# Altium PCB 8-8控制板.PcbDoc (part 3 of 5) (continued)
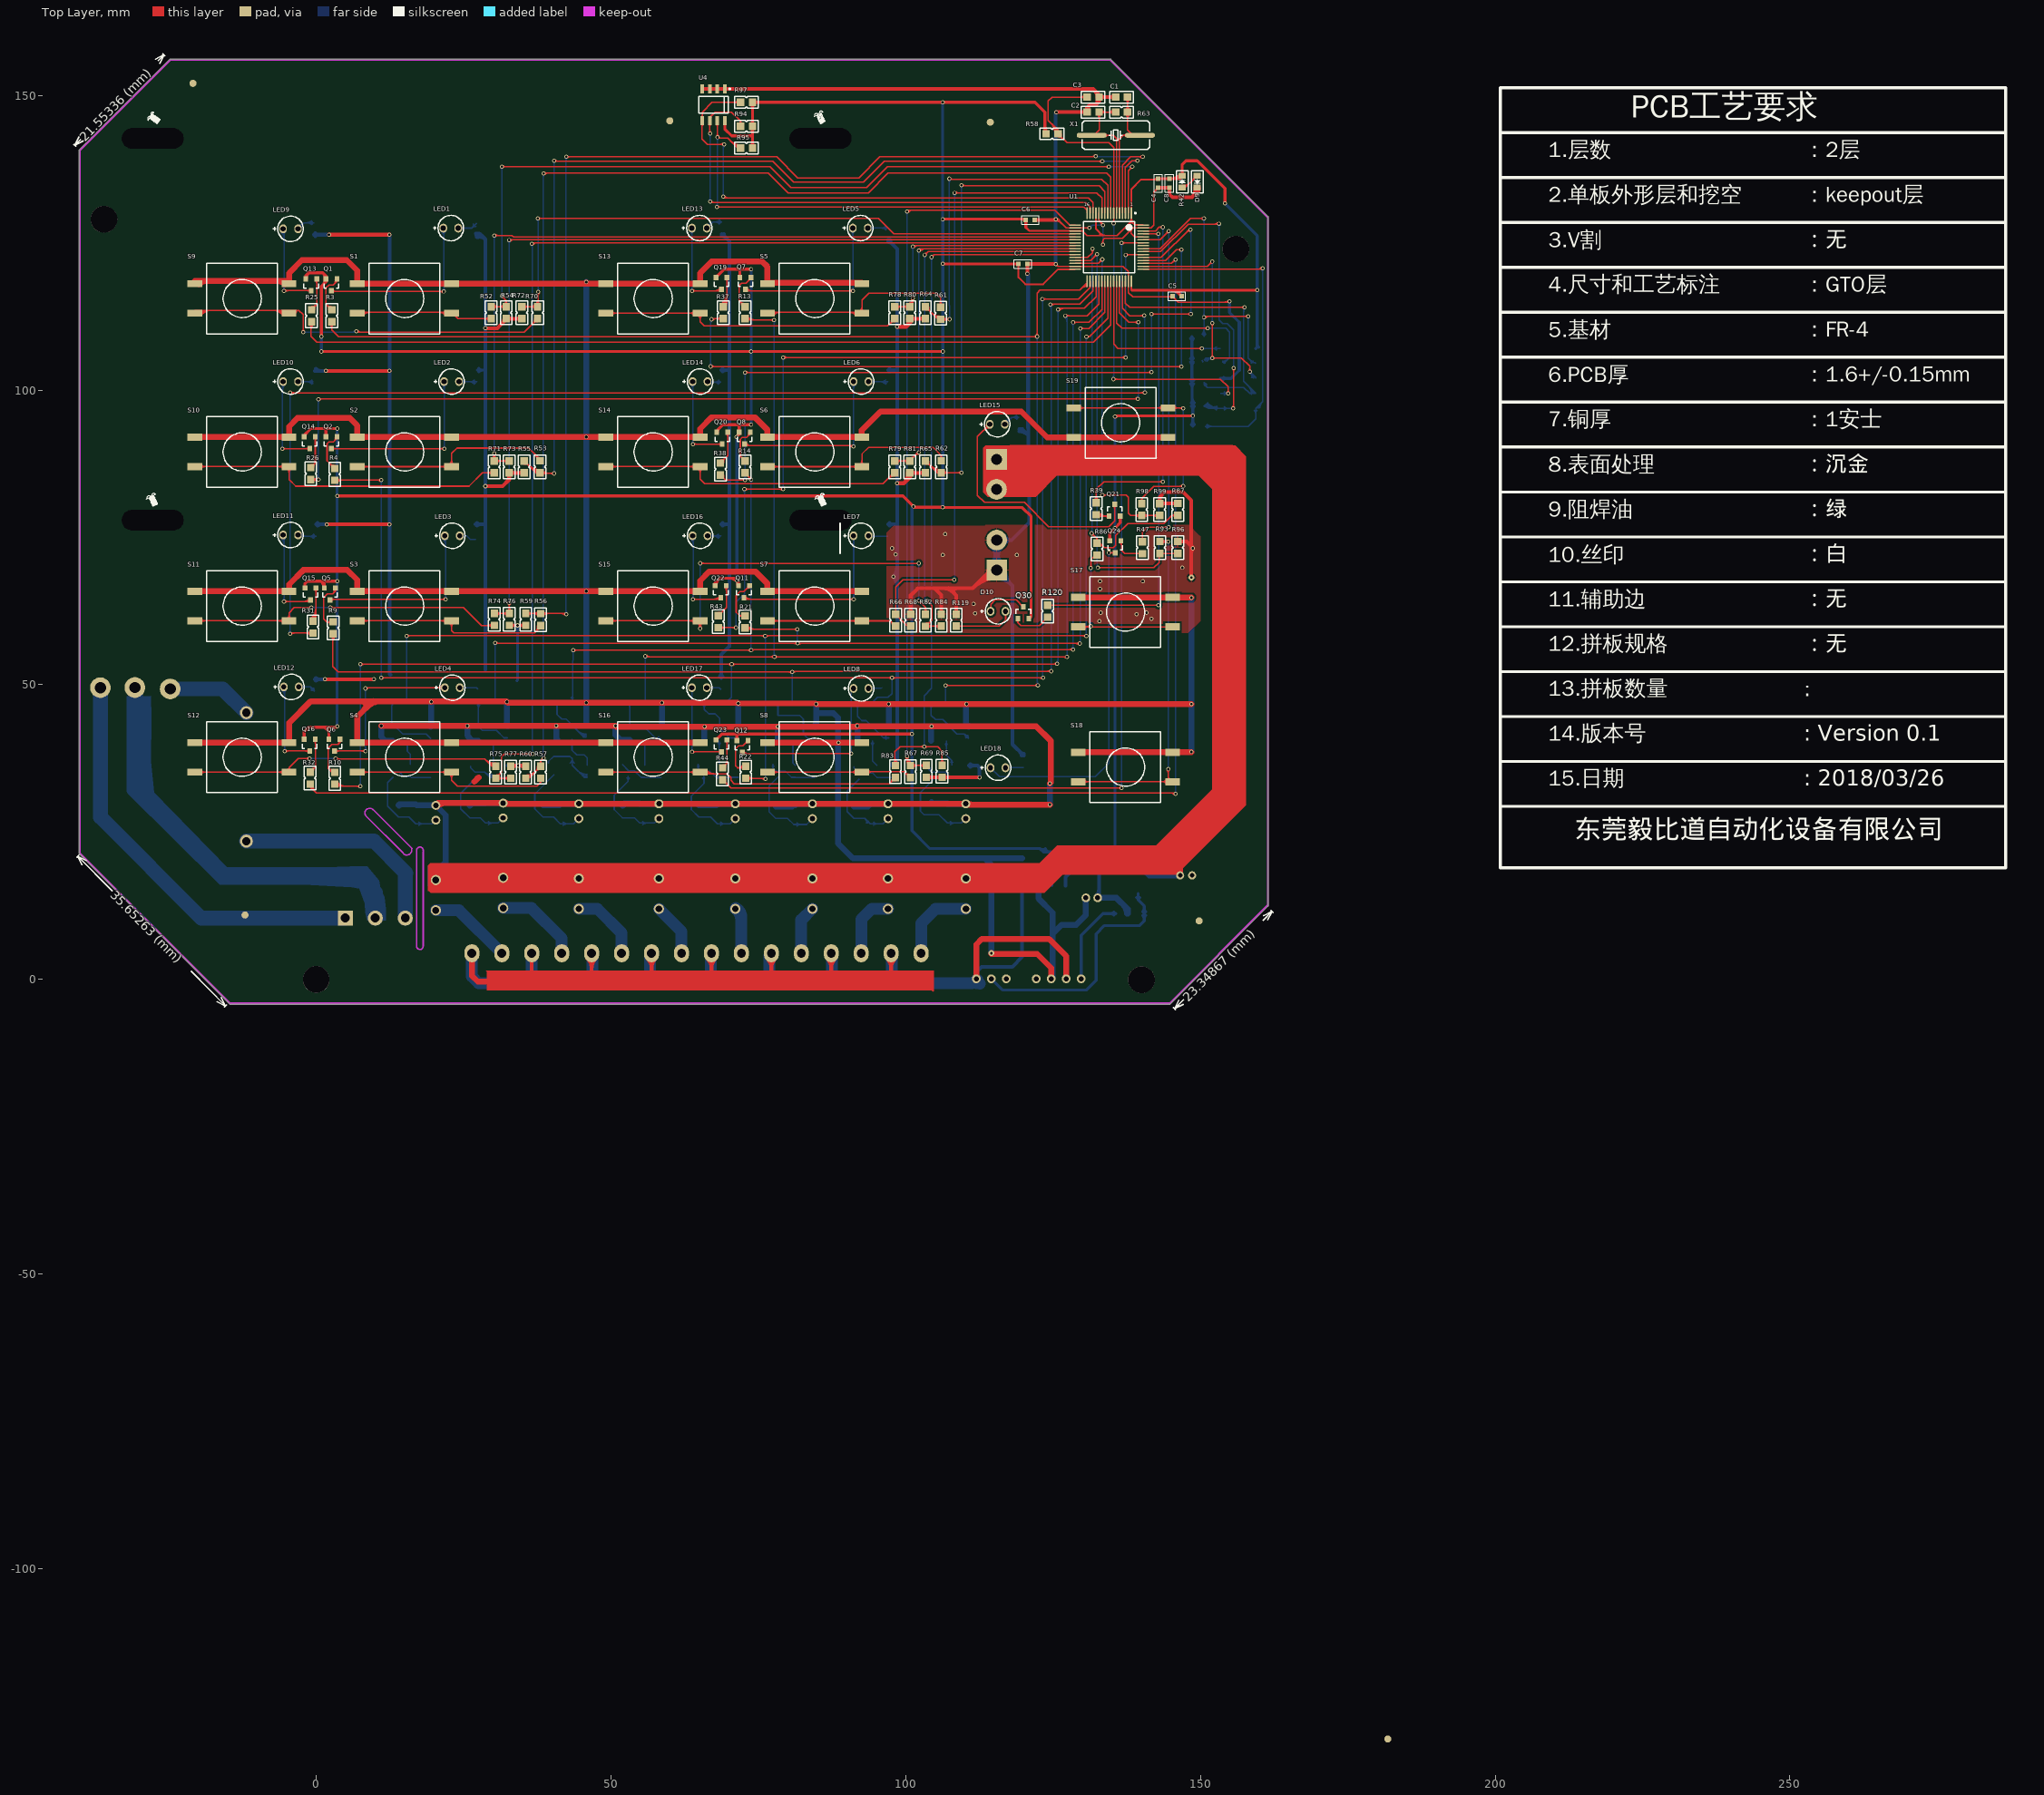
[diagram p0: Top Layer view]
## Nets (pads, with @x,y where several pads share a name; then routed paths per layer and width w, separated by ;. In a path a pad name is that pad's centre, name@x,y a point inside that pad or via, vN(x,y) a via of type N, cw(c..) or ccw(c..) an arc to the next point about the centre after c; other vN are vias at no path point) (continued)
NetP1_5: P1.5 R89.1 U1.49 | length 65.3
  Top Layer w0.203: U1.49@140.303,120.498 160.376,120.498 v1(160.528,120.65) ; 159.56,120.498 ccw(c159.56,121.618) v1@160.352,120.826 ; 160.051,120.498 ccw(c160.051,121.127) v1@160.496,120.682
  Bottom Layer w0.203: R89.1@150.749,93.853 158.115,93.853 159.385,95.123 P1.5@159.385,96.901 160.542,98.058 ; R89.1@150.982,93.62 cw(c151.546,93.056) 151.546,93.853 cw(c151.546,94.65) R89.1@150.982,94.086 ; R89.1@151.126,93.476 cw(c152.037,92.565) 152.037,93.853 cw(c152.037,95.141) R89.1@151.126,94.23 ; P1.5@159.103,96.619 cw(c158.423,95.939) 159.385,95.939 cw(c160.347,95.939) P1.5@159.667,96.619 ; P1.5@159.727,96.9 cw(c160.406,96.958) 159.924,97.44 ; P1.5@159.929,96.918 cw(c160.975,97.007) 160.233,97.749 ; P1.5@160.132,96.935 cw(c161.544,97.056) 160.542,98.058 ; v1@160.352,120.474 cw(c159.894,120.016) 160.542,120.016 ; v1(160.528,120.65) 160.542,120.636 160.542,98.058 ; 160.542,120.084 cw(c161.094,120.084) v1@160.704,120.474
NetP1_6: P1.6 R88.1 U1.55 | length 74.6
  Top Layer w0.203: U1.55@140.303,123.498 143.247,123.498 147.92,128.171 153.063,128.171 v1(153.137,128.245) ; 152.358,128.171 ccw(c152.358,129.023) v1@152.961,128.42 ; 152.716,128.171 cw(c152.716,127.824) v1@152.961,128.069 ; v1@155.399,97.077 ccw(c154.822,97.654) 155.638,97.654 ; v1@155.463,103.583 cw(c155.039,103.159) 155.638,103.159 cw(c156.238,103.159) v1@155.814,103.583 ; v1(155.575,96.901) 155.638,96.965 v1(155.638,103.759) ; 155.638,97.347 ccw(c156.021,97.347) v1@155.751,97.077
  Bottom Layer w0.203: R88.1@150.542,97.348 ccw(c151.551,98.263) 151.551,96.901 ; R88.1@150.693,97.485 ccw(c152.01,98.679) 152.01,96.901 ; R88.1@150.749,97.536 151.384,96.901 P1.6@153.385,96.901 v1(155.575,96.901) ; R88.1@150.843,97.621 ccw(c152.468,99.094) 152.468,96.901 ; R88.1@150.994,97.758 ccw(c152.926,99.509) P1.6@152.926,96.901 ; R88.1@151.144,97.894 ccw(c153.385,99.925) P1.6@153.385,96.901 ; 151.924,97.267 cw(c151.62,96.052) P1.6@152.693,96.696 ; 152.038,97.075 ccw(c152.236,98.089) P1.6@152.813,97.232 ; 152.136,97.056 cw(c151.965,96.182) P1.6@152.704,96.679 ; 152.321,97.167 ccw(c152.485,97.819) P1.6@152.83,97.243 ; 152.4,97.148 cw(c152.215,96.409) P1.6@152.868,96.801 ; 152.519,96.981 ccw(c152.623,97.513) P1.6@152.926,97.063 ; P1.6@152.753,96.619 ccw(c152.073,95.939) 152.073,96.901 ccw(c152.073,97.863) P1.6@152.753,97.183 ; v1@152.961,128.069 cw(c152.537,127.645) 153.137,127.645 cw(c153.736,127.645) v1@153.312,128.069 ; v1(153.137,128.245) 153.137,113.411 153.162,113.386 153.162,111.887 153.797,111.252 154.559,111.252 155.638,110.172 v1(155.638,103.759) ; P1.6@154.017,96.619 cw(c154.697,95.939) 154.697,96.901 cw(c154.697,97.863) P1.6@154.017,97.183 ; v1@155.399,96.725 ccw(c154.975,96.301) 154.975,96.901 ccw(c154.975,97.501) v1@155.399,97.077 ; v1@155.463,103.935 ccw(c155.039,104.359) 155.638,104.359 ccw(c156.238,104.359) v1@155.814,103.935
NetP1_9: P1.9 U1.43 | length 36.8
  Top Layer w0.203: U1.43@135.778,118.473 135.778,111.379 136.667,110.49 v1(151.257,110.49) ; v1@151.081,110.314 ccw(c150.657,109.89) 150.657,110.49 ccw(c150.657,111.09) v1@151.081,110.666
  Bottom Layer w0.203: v1(151.257,110.49) 154.305,110.49 154.94,109.855 154.94,105.537 P1.9@153.924,104.521 ; v1@151.433,110.314 cw(c151.857,109.89) 151.857,110.49 cw(c151.857,111.09) v1@151.433,110.666 ; P1.9@153.735,104.716 ccw(c153.735,105.644) 154.391,104.988 ; P1.9@153.735,104.919 ccw(c153.735,106.338) 154.738,105.335 ; P1.9@154.133,104.521 cw(c154.639,104.521) 154.281,104.878
NetP1_10: P1.10 U1.42 | length 32.5
  Top Layer w0.203: U1.42@135.278,118.473 135.278,107.823 136.04,107.061 v1(150.241,107.061) ; v1@150.065,106.885 ccw(c149.641,106.461) 149.641,107.061 ccw(c149.641,107.661) v1@150.065,107.237
  Bottom Layer w0.203: v1(150.241,107.061) P1.10@153.385,107.061 ; v1@150.417,106.885 cw(c150.841,106.461) 150.841,107.061 cw(c150.841,107.661) v1@150.417,107.237 ; P1.10@152.753,106.779 ccw(c152.073,106.099) 152.073,107.061 ccw(c152.073,108.023) P1.10@152.753,107.343
NetQ1_1: Q1.1 R3.2 | length 10.5
  Top Layer w0.203: 1.651,114.63 1.651,117.348 2.159,117.856 2.921,117.856 ; 3.209,118.144 ccw(c2.656,118.697) Q1.1@3.43,118.807 ; Q1.1@3.229,118.778 cw(c2.152,118.625) 2.921,117.856 ; Q1.1@3.531,118.872 3.531,118.466 2.921,117.856
  Top Layer w0.254: 1.651,114.63 R3.2@2.642,113.64 ; R3.2@2.134,113.64 ccw(c0.907,113.64) 1.774,114.507 ccw(c2.642,115.374) R3.2@2.642,114.148
NetQ2_1: Q2.1 R4.2 | length 10.6
  Top Layer w0.254: R4.2@2.642,86.716 ccw(c1.415,86.716) 2.282,87.583 ccw(c3.15,88.45) R4.2@3.15,87.224 ; R4.2@2.896,86.716 R4.2@3.15,86.716 1.854,88.011 1.854,90.881 2.159,91.186 2.921,91.186 ; Q2.1@3.251,92.016 cw(c2.123,91.984) 2.921,91.186 ; 3.338,91.603 ccw(c2.933,92.007) Q2.1@3.505,92.023 ; Q2.1@3.531,92.075 3.531,91.796 2.921,91.186
NetQ3_2: Q3.2 R7.2 R11.2 | length 9.2
  Bottom Layer w0.203: Q3.2@103.911,36.068 103.911,35.662 104.394,35.179 ; Q3.2@104.009,35.988 ccw(c104.558,35.825) 104.153,35.42 ; Q3.2@104.204,35.93 ccw(c104.929,35.715) 104.394,35.179 ; R11.2@110.719,34.265 107.848,34.265 R7.2@107.823,34.29 107.569,34.29 106.68,35.179 104.394,35.179
NetQ4_2: Q4.2 R8.2 R12.2 | length 7.3
  Bottom Layer w0.254: Q4.2@91.211,36.068 91.211,35.916 92.075,35.052 94.361,35.052 R8.2@95.123,34.29 95.148,34.265 R12.2@97.674,34.265
NetQ5_1: Q5.1 R9.2 | length 13.1
  Top Layer w0.203: 2.222,60.579 ccw(c2.222,60.99) R9.2@2.596,60.818 ; R9.2@2.411,60.903 cw(c1.905,61.136) 1.905,60.579 ; R9.2@2.505,60.318 ccw(c1.905,59.76) 1.905,60.579 ; R9.2@2.896,60.681 2.794,60.579 1.905,60.579 ; Q5.1@2.989,66.268 cw(c2.208,65.991) 2.794,65.405 ; 3.022,65.633 ccw(c2.544,66.111) Q5.1@3.181,66.336 ; Q5.1@3.146,66.095 cw(c3.047,65.888) 3.277,65.888 ; 3.249,65.86 ccw(c2.88,66.23) Q5.1@3.372,66.404 ; Q5.1@3.277,66.421 3.277,65.888 ; Q5.1@3.408,66.095 ccw(c3.506,65.888) 3.277,65.888 ; 1.905,60.579 1.27,61.214 1.27,64.77 1.905,65.405 2.794,65.405 ; 2.794,65.405 3.277,65.888
NetQ6_1: Q6.1 R10.2 | length 12.6
  Top Layer w0.203: 2.243,35.603 ccw(c2.738,36.098) R10.2@3.018,35.456 ; 2.454,35.392 ccw(c2.866,35.805) R10.2@3.099,35.27 ; R10.2@2.937,35.643 cw(c2.61,36.392) 2.032,35.814 ; R10.2@3.15,35.154 2.692,35.154 2.032,35.814 ; Q6.1@3.781,40.553 cw(c3.338,40.274) 3.708,39.903 ; 3.888,40.083 ccw(c3.558,40.413) Q6.1@3.953,40.662 ; Q6.1@3.942,40.427 cw(c3.886,40.258) 4.064,40.258 cw(c4.274,40.258) Q6.1@4.178,40.445 ; Q6.1@4.039,40.767 4.064,40.742 4.064,40.259 3.708,39.903 ; 4.068,40.263 ccw(c3.779,40.552) Q6.1@4.125,40.77 ; 2.032,35.814 2.032,39.243 2.692,39.903 3.708,39.903
NetQ7_1: Q7.1 R13.2 | length 12
  Top Layer w0.203: R13.2@72.212,114.148 ccw(c70.924,114.148) 71.835,115.058 ccw(c72.746,115.969) R13.2@72.746,114.681 ; R13.2@72.415,114.148 ccw(c71.618,114.148) 72.182,114.711 ccw(c72.746,115.275) R13.2@72.746,114.478 ; 73.169,118.381 ccw(c72.476,119.075) Q7.1@73.457,119.075 ; R13.2@73.254,114.148 R13.2@72.746,114.148 71.755,115.138 71.755,117.729 72.136,118.11 72.898,118.11 73.762,118.974 Q7.1@73.762,119.126 ; 73.415,118.627 cw(c73.762,118.28) Q7.1@73.762,118.77 ; Q7.1@73.516,118.728 ccw(c73.169,119.075) Q7.1@73.66,119.075
NetQ8_1: Q8.1 R14.2 | length 9.4
  Top Layer w0.254: R14.2@72.239,88.021 ccw(c71.275,88.09) 71.958,88.773 ; R14.2@72.71,88.492 cw(c72.642,89.456) 71.958,88.773 ; R14.2@72.746,87.986 71.958,88.773 ; Q8.1@73.355,92.778 cw(c72.227,92.746) 73.025,91.948 ; 73.442,92.365 ccw(c73.037,92.769) Q8.1@73.609,92.785 ; Q8.1@73.635,92.837 73.635,92.558 73.025,91.948 ; 71.958,88.773 71.958,91.618 71.945,91.63 72.263,91.948 73.025,91.948
NetQ9_2: Q9.2 R19.2 R23.2 | length 8.9
  Bottom Layer w0.254: Q9.2@77.356,36.156 cw(c77.218,35.916) 77.495,35.916 ; Q9.2@77.495,36.449 77.495,35.916 ; Q9.2@77.635,36.156 ccw(c77.772,35.916) 77.495,35.916 ; R23.2@84.629,34.265 81.305,34.265 R19.2@81.28,34.29 80.645,34.29 79.629,35.306 78.105,35.306 77.495,35.916
NetQ10_2: Q10.2 R20.2 R24.2 | length 9.3
  Bottom Layer w0.254: Q10.2@64.656,36.156 cw(c64.518,35.916) 64.795,35.916 ; Q10.2@64.795,36.449 64.795,35.916 ; Q10.2@64.935,36.156 ccw(c65.072,35.916) 64.795,35.916 ; R20.2@68.111,34.095 ccw(c67.818,33.973) 67.818,34.29 ; R20.2@68.111,34.485 cw(c67.818,34.607) 67.818,34.29 ; R24.2@71.584,34.265 71.559,34.29 R20.2@68.58,34.29 67.818,34.29 ; 64.795,35.916 65.405,35.306 66.802,35.306 67.818,34.29
NetQ11_1: Q11.1 R21.2 | length 9.7
  Top Layer w0.254: R21.2@72.308,61.439 ccw(c71.857,61.173) 71.857,61.697 ; R21.2@72.308,61.954 cw(c71.857,62.22) 71.857,61.697 ; R21.2@72.746,61.697 71.857,61.697 ; 72.987,66.256 cw(c73.508,65.736) Q11.1@73.508,66.472 ; 73.049,66.318 ccw(c72.615,66.751) Q11.1@73.228,66.751 ; Q11.1@73.508,66.802 73.508,66.777 72.517,65.786 71.882,65.786 71.247,65.151 71.247,62.306 71.857,61.697
NetQ12_1: Q12.1 R22.2 | length 10.6
  Top Layer w0.254: 71.941,35.916 ccw(c71.941,36.769) R22.2@72.659,36.307 ; R22.2@72.259,35.916 cw(c72.259,35.556) R22.2@72.513,35.81 ; R22.2@72.445,36.445 cw(c71.476,37.069) 71.476,35.916 ; 72.69,39.949 cw(c73.254,39.386) Q12.1@73.254,40.183 ; R22.2@72.746,35.916 71.476,35.916 ; 72.813,40.072 ccw(c72.422,40.462) Q12.1@72.974,40.462 ; Q12.1@73.254,40.513 72.39,39.649 71.653,39.649 71.158,39.154 71.158,36.233 71.476,35.916
NetQ13_1: Q13.1 R25.2 | length 9.9
  Top Layer w0.203: R25.2@-0.787,113.64 0.102,114.529 ; R25.2@-0.782,113.97 ccw(c-0.769,114.722) -0.237,114.19 ccw(c0.295,113.658) R25.2@-0.457,113.645 ; R25.2@-0.778,114.173 ccw(c-0.757,115.388) 0.102,114.529 ; R25.2@-0.254,113.649 cw(c0.961,113.67) 0.102,114.529 ; Q13.1@-0.114,118.606 cw(c-0.634,118.085) 0.102,118.085 cw(c0.837,118.085) Q13.1@0.317,118.606 ; Q13.1@0.102,118.872 0.102,114.529
NetQ14_1: Q14.1 R26.2 | length 8.2
  Top Layer w0.254: R26.2@-0.914,86.843 -0.152,87.605 ; R26.2@-0.866,87.348 ccw(c-0.781,88.233) -0.152,87.605 ; R26.2@-0.409,86.891 cw(c0.476,86.976) -0.152,87.605 ; Q14.1@-0.35,91.827 cw(c-0.827,91.35) -0.152,91.35 cw(c0.522,91.35) Q14.1@0.045,91.827 ; Q14.1@-0.152,92.075 -0.152,87.605
NetQ15_1: Q15.1 R31.2 | length 15
  Top Layer w0.203: R31.2@-0.911,61.185 ccw(c-3.048,63.322) -0.025,63.322 ; R31.2@-0.767,61.041 ccw(c-2.557,62.831) -0.025,62.831 ; R31.2@-0.623,60.897 ccw(c-2.066,62.341) -0.025,62.341 ; R31.2@-0.533,60.808 -0.025,61.316 Q15.1@-0.025,66.421 ; R31.2@-0.48,60.754 ccw(c-1.576,61.85) -0.025,61.85 ; R31.2@-0.336,60.61 ccw(c-1.085,61.359) R31.2@-0.025,61.359 ; Q15.1@-0.241,66.155 cw(c-0.761,65.634) -0.025,65.634 cw(c0.71,65.634) Q15.1@0.19,66.155
NetQ16_1: Q16.1 R32.2 | length 10.1
  Top Layer w0.203: R32.2@-1.016,35.179 -0.152,36.043 ; R32.2@-1.003,35.509 ccw(c-0.977,36.209) -0.481,35.714 ccw(c0.014,35.218) R32.2@-0.686,35.192 ; R32.2@-0.996,35.712 ccw(c-0.952,36.843) -0.152,36.043 ; R32.2@-0.483,35.199 cw(c0.648,35.243) -0.152,36.043 ; Q16.1@-0.368,40.501 cw(c-0.888,39.98) -0.152,39.98 cw(c0.583,39.98) Q16.1@0.063,40.501 ; Q16.1@-0.152,40.767 -0.152,36.043
NetQ17_2: Q17.2 R33.2 R35.2 | length 7.5
  Bottom Layer w0.254: Q17.2@51.968,36.449 52.984,35.433 53.975,35.433 55.118,34.29 R33.2@55.753,34.29 55.778,34.265 R35.2@58.54,34.265
NetQ18_2: Q18.2 R34.2 R36.2 | length 15.4
  Bottom Layer w0.254: Q18.2@39.395,36.703 39.395,36.982 40.259,37.846 43.053,37.846 43.434,37.465 ; R36.2@43.094,36.699 ccw(c42.402,37.465) 43.434,37.465 ; R36.2@43.774,36.699 cw(c44.466,37.465) 43.434,37.465 ; 44.24,35.516 ccw(c45.974,37.251) R34.2@45.974,34.798 ; 44.673,35.083 ccw(c45.974,36.384) R34.2@45.974,34.544 ; 45.107,34.649 ccw(c45.974,35.516) R34.2@45.974,34.29 45.466,34.29 R36.2@43.434,36.322 43.434,37.465
NetQ19_1: Q19.1 R37.2 | length 16.1
  Top Layer w0.203: R37.2@68.685,114.525 ccw(c66.242,116.968) 69.698,116.968 ; R37.2@68.829,114.381 ccw(c66.732,116.478) 69.698,116.478 ; R37.2@68.973,114.237 ccw(c67.223,115.987) 69.698,115.987 ; R37.2@69.063,114.148 69.698,114.783 Q19.1@69.698,119.126 ; R37.2@69.116,114.094 ccw(c67.714,115.497) 69.698,115.497 ; R37.2@69.26,113.95 ccw(c68.204,115.006) 69.698,115.006 ; Q19.1@69.482,118.86 cw(c68.962,118.339) 69.698,118.339 cw(c70.433,118.339) Q19.1@69.913,118.86
NetQ20_1: Q20.1 R38.2 | length 10.2
  Top Layer w0.203: R38.2@68.58,87.63 69.825,88.875 Q20.1@69.825,92.837 ; R38.2@68.58,87.96 ccw(c68.58,88.757) 69.144,88.194 ccw(c69.707,87.63) R38.2@68.91,87.63 ; R38.2@68.58,88.163 ccw(c68.58,89.451) 69.491,88.541 ccw(c70.401,87.63) R38.2@69.113,87.63 ; Q20.1@69.609,92.571 cw(c69.089,92.05) 69.825,92.05 cw(c70.56,92.05) Q20.1@70.04,92.571
NetQ21_1: Q21.1 R39.2 | length 8.3
  Top Layer w0.203: R39.2@131.801,78.588 R39.2@132.207,78.994 ; R39.2@132.334,78.867 132.588,78.613 Q21.1@134.518,78.613 ; R39.2@132.424,78.957 ccw(c133.254,79.787) 133.254,78.613 ; R39.2@132.567,79.1 ccw(c133.744,80.277) 133.744,78.613 ; R39.2@132.711,78.49 cw(c133.009,78.192) 133.009,78.613 ; R39.2@132.711,79.244 ccw(c134.235,80.768) Q21.1@134.235,78.613 ; Q21.1@134.303,78.397 ccw(c133.783,77.877) 133.783,78.613 ccw(c133.783,79.349) Q21.1@134.303,78.829
NetQ22_1: Q22.1 R43.2 | length 10.1
  Top Layer w0.203: R43.2@68.199,61.722 69.571,63.094 Q22.1@69.571,66.802 ; R43.2@68.199,62.052 ccw(c68.199,62.849) 68.763,62.286 ccw(c69.326,61.722) R43.2@68.529,61.722 ; R43.2@68.199,62.255 ccw(c68.199,63.543) 69.11,62.633 ccw(c70.02,61.722) R43.2@68.732,61.722 ; Q22.1@69.355,66.536 cw(c68.835,66.015) 69.571,66.015 cw(c70.306,66.015) Q22.1@69.786,66.536
NetQ23_1: Q23.1 R44.2 | length 7.7
  Top Layer w0.254: R44.2@68.936,35.916 69.698,36.678 ; R44.2@68.984,36.421 ccw(c69.069,37.306) 69.698,36.678 ; R44.2@69.441,35.964 cw(c70.326,36.049) 69.698,36.678 ; Q23.1@69.5,40.392 cw(c69.023,39.915) 69.698,39.915 cw(c70.372,39.915) Q23.1@69.895,40.392 ; Q23.1@69.698,40.64 69.698,36.678
NetQ24_1: Q24.1 R47.2 | length 7.2
  Top Layer w0.203: Q24.1@136.284,74.156 cw(c135.396,73.267) 136.652,73.267 ; Q24.1@136.428,74.299 cw(c135.886,73.758) 136.652,73.758 ; Q24.1@136.5,74.422 136.652,74.27 136.652,72.771 137.185,72.238 R47.2@139.929,72.238 ; R47.2@139.82,72.129 R47.2@139.929,72.238 ; R47.2@140.183,72.238 R47.2@139.929,72.238
NetQ25_2: Q25.2 R48.2 R50.2 | length 10.5
  Bottom Layer w0.254: Q25.2@26.187,36.195 26.187,35.916 26.924,35.179 28.575,35.179 ; 28.91,34.844 ccw(c29.7,35.635) R48.2@29.922,34.539 ; 29.245,34.509 ccw(c29.813,35.078) R48.2@29.972,34.29 ; R48.2@29.871,34.788 cw(c29.588,36.192) 28.575,35.179 ; R50.2@32.45,34.265 29.997,34.265 R48.2@29.972,34.29 ; 28.575,35.179 29.464,34.29 R48.2@29.972,34.29
NetQ26_2: Q26.2 R49.2 R51.2 | length 8.3
  Bottom Layer w0.254: Q26.2@12.09,36.322 12.09,36.043 12.954,35.179 14.097,35.179 14.859,34.417 R49.2@16.002,34.417 16.154,34.265 R51.2@19.406,34.265
NetQ30_1: Q30.1 R120.2 | length 7.6
  Top Layer w0.203: Q30.1@118.842,60.919 cw(c118.567,60.554) 119.024,60.554 ; Q30.1@119.024,61.214 119.024,60.554 ; Q30.1@119.207,60.919 ccw(c119.482,60.554) 119.024,60.554 ; R120.2@123.825,61.468 R120.2@124.079,61.468 122.682,60.071 119.507,60.071 119.024,60.554
NetR25_1: R25.1 U1.41 | length 150.2
  Top Layer w0.203: R25.1@-1.165,111.23 cw(c-1.83,110.565) -0.889,110.565 cw(c0.255,110.565) R25.1@-0.554,111.374 ; -0.889,110.075 cw(c0.746,110.075) R25.1@-0.41,111.23 ; R25.1@-0.787,111.608 -0.889,111.506 -0.889,109.093 0.078,108.126 131.875,108.126 134.778,111.029 U1.41@134.778,118.473
NetR26_1: R26.1 U1.44 | length 189.2
  Top Layer w0.203: R26.1@-0.914,84.811 v1(0.381,84.811) ; R26.1@-0.681,84.577 cw(c-0.117,84.013) -0.117,84.811 cw(c-0.117,85.608) R26.1@-0.681,85.044 ; R26.1@-0.537,84.433 cw(c0.373,83.523) 0.373,84.811 cw(c0.373,86.098) R26.1@-0.537,85.188 ; -0.203,84.656 cw(c-0.046,84.07) v1@0.257,84.595 ; -0.203,84.965 ccw(c-0.046,85.551) v1@0.257,85.026 ; -0.194,84.659 ccw(c-0.348,85.231) v1@0.166,84.935 ; -0.194,84.963 cw(c-0.348,84.39) v1@0.166,84.686 ; v1@0.205,84.635 ccw(c-0.219,84.211) -0.219,84.811 ccw(c-0.219,85.41) v1@0.205,84.986 ; v1(0.381,98.425) 0.483,98.527 v1(139.421,98.527) ; v1@0.413,98.393 cw(c0.735,98.071) 0.735,98.527 cw(c0.735,98.779) v1@0.557,98.601 ; v1@0.557,98.249 cw(c1.226,97.58) 1.226,98.527 ; U1.44@136.278,118.473 136.278,113.1 137.871,111.506 v1(139.446,111.506) ; v1@139.245,98.351 ccw(c138.821,97.927) 138.821,98.527 ccw(c138.821,99.126) v1@139.245,98.702 ; v1@139.27,111.33 ccw(c138.846,110.906) 138.846,111.506 ccw(c138.846,112.106) v1@139.27,111.682
  Bottom Layer w0.203: v1@0.205,84.986 ccw(c-0.219,85.41) 0.381,85.41 ccw(c0.981,85.41) v1@0.557,84.986 ; v1@0.205,98.249 cw(c-0.219,97.825) 0.381,97.825 cw(c0.981,97.825) v1@0.557,98.249 ; v1(0.381,84.811) v1(0.381,98.425) ; v1@139.245,98.702 ccw(c138.76,99.188) 139.446,99.188 ; v1@139.27,111.33 cw(c138.846,110.906) 139.446,110.906 cw(c140.046,110.906) v1@139.622,111.33 ; v1(139.421,98.527) 139.446,98.552 v1(139.446,111.506) ; 139.446,99.065 ccw(c139.959,99.065) v1@139.596,98.702
NetR31_1: R31.1 U1.45 | length 223.4
  Top Layer w0.203: v1(-4.445,58.674) -4.343,58.776 R31.1@-0.533,58.776 ; v1(-4.445,99.568) -4.42,99.543 140.564,99.543 v1(140.589,99.568) ; v1@-4.413,58.642 cw(c-4.091,58.32) -4.091,58.776 cw(c-4.091,59.028) v1@-4.269,58.85 ; v1@-4.269,58.498 cw(c-3.6,57.829) -3.6,58.776 ; v1@-4.269,99.392 cw(c-3.907,99.03) -3.907,99.543 ; v1@-4.269,99.744 ccw(c-3.784,100.229) -3.784,99.543 ; R31.1@-0.911,58.398 ccw(c-1.821,57.488) -1.821,58.776 ccw(c-1.821,60.063) R31.1@-0.911,59.153 ; R31.1@-0.767,58.542 ccw(c-1.331,57.978) -1.331,58.776 ccw(c-1.331,59.573) R31.1@-0.767,59.009 ; U1.45@136.778,118.473 136.778,113.87 138.024,112.624 140.437,112.624 v1(140.462,112.649) ; 139.801,112.624 ccw(c139.801,113.31) v1@140.286,112.825 ; 139.924,112.624 cw(c139.924,112.111) v1@140.286,112.473 ; 139.928,99.543 ccw(c139.928,100.229) v1@140.413,99.744 ; 140.051,99.543 cw(c140.051,99.03) v1@140.413,99.392
  Bottom Layer w0.203: v1@-4.621,58.85 ccw(c-5.045,59.274) -4.445,59.274 ccw(c-3.845,59.274) v1@-4.269,58.85 ; v1@-4.621,99.392 cw(c-5.045,98.968) -4.445,98.968 cw(c-3.845,98.968) v1@-4.269,99.392 ; v1(-4.445,58.674) v1(-4.445,99.568) ; v1@140.286,112.473 cw(c139.617,111.804) 140.564,111.804 ; v1@140.413,99.744 ccw(c140.051,100.106) 140.564,100.106 ; v1@140.43,112.617 cw(c140.108,112.295) 140.564,112.295 cw(c140.816,112.295) v1@140.638,112.473 ; v1(140.462,112.649) 140.564,112.547 140.564,99.593 v1(140.589,99.568) ; 140.564,100.229 ccw(c141.25,100.229) v1@140.765,99.744
NetR32_1: R32.1 U1.51 | length 251.9
  Top Layer w0.203: R32.1@-1.091,33.157 ccw(c-0.308,33.049) -0.867,32.49 ; R32.1@-1.016,33.147 -1.016,32.639 0,31.623 ; R32.1@-0.89,33.13 ccw(c0.2,32.979) -0.578,32.201 ; R32.1@-0.689,33.102 ccw(c0.708,32.909) -0.289,31.912 ; R32.1@-0.488,33.074 ccw(c1.216,32.839) 0,31.623 ; U1.51@140.303,121.498 145.12,121.498 v1(145.771,122.149) ; 144.89,31.623 cw(c144.89,30.59) v1@145.62,31.32 ; 145.38,31.623 cw(c145.38,31.08) v1@145.764,31.464 ; v1@145.522,122.149 cw(c144.923,122.149) 145.347,121.725 cw(c145.771,121.301) v1@145.771,121.9 ; v1(145.796,31.496) 145.669,31.623 0,31.623
  Bottom Layer w0.203: v1@145.595,121.973 cw(c145.171,121.549) 145.771,121.549 cw(c146.37,121.549) v1@145.946,121.973 ; v1(145.771,122.149) 145.771,31.521 v1(145.796,31.496)
NetR37_1: R37.1 U1.52 | length 129.4
  Top Layer w0.203: v1(66.929,104.013) 66.954,103.988 v1(146.787,103.988) ; v1(67.056,112.014) 67.158,112.116 R37.1@69.063,112.116 ; v1@67.088,111.982 cw(c67.41,111.66) 67.41,112.116 cw(c67.41,112.368) v1@67.232,112.19 ; v1@67.105,103.837 cw(c67.467,103.475) 67.467,103.988 ; v1@67.105,104.189 ccw(c67.59,104.674) 67.59,103.988 ; v1@67.232,111.838 cw(c67.901,111.169) 67.901,112.116 ; R37.1@68.685,111.738 ccw(c67.775,110.828) 67.775,112.116 ccw(c67.775,113.403) R37.1@68.685,112.493 ; R37.1@68.829,111.882 ccw(c68.265,111.318) 68.265,112.116 ccw(c68.265,112.913) R37.1@68.829,112.349 ; U1.52@140.303,121.998 144.096,121.998 145.898,123.8 v1(146.787,123.8) 147.041,123.8 147.104,123.736 v1@146.787,123.736 ; v1@146.611,103.812 ccw(c146.187,103.388) 146.187,103.988 ccw(c146.187,104.587) v1@146.611,104.163 ; v1@146.611,123.624 ccw(c146.187,123.2) 146.187,123.8 ccw(c146.187,124.399) v1@146.611,123.975
  Bottom Layer w0.203: v1@66.753,104.189 ccw(c66.329,104.613) 66.929,104.613 ccw(c67.529,104.613) v1@67.105,104.189 ; v1(66.929,104.013) 66.929,112.014 67.056,112.141 v1(67.056,112.014) ; 66.929,111.108 cw(c67.962,111.108) v1@67.232,111.838 ; 66.929,111.598 cw(c67.472,111.598) v1@67.088,111.982 ; v1@146.611,104.163 ccw(c146.187,104.587) 146.787,104.587 ccw(c147.386,104.587) v1@146.962,104.163 ; v1@146.611,123.624 cw(c146.187,123.2) 146.787,123.2 cw(c147.386,123.2) v1@146.962,123.624 ; v1(146.787,103.988) v1(146.787,123.8)
NetR38_1: R38.1 U1.53 | length 147.3
  Top Layer w0.203: R38.1@68.58,85.598 69.413,84.765 ; R38.1@68.602,85.269 cw(c68.643,84.631) 69.095,85.083 cw(c69.547,85.535) R38.1@68.909,85.576 ; R38.1@68.615,85.066 cw(c68.682,84.035) 69.413,84.765 ; R38.1@69.112,85.563 ccw(c70.143,85.496) 69.413,84.765 ; v1@72.595,84.59 ccw(c72.171,84.166) 72.171,84.765 ccw(c72.171,85.365) v1@72.595,84.941 ; v1(72.771,84.765) 69.413,84.765 ; v1(72.771,102.997) 72.796,102.972 141.656,102.972 v1(141.707,103.022) ; v1@72.947,102.821 cw(c73.309,102.459) 73.309,102.972 ; v1@72.947,103.173 ccw(c73.432,103.658) 73.432,102.972 ; U1.53@140.303,122.498 143.326,122.498 148.057,127.229 v1(148.311,127.229) ; 140.984,102.972 ccw(c140.984,103.745) v1@141.531,103.198 ; 141.23,102.972 cw(c141.23,102.545) v1@141.531,102.847 ; v1(141.707,112.878) 148.338,112.878 v1(148.364,112.903) ; v1@141.882,112.702 cw(c142.306,112.278) 142.306,112.878 cw(c142.306,113.477) v1@141.882,113.053 ; 147.453,126.625 cw(c148.311,125.767) v1@148.311,126.98 ; 147.703,112.878 ccw(c147.703,113.564) v1@148.188,113.079 ; 147.8,126.972 cw(c148.311,126.461) v1@148.311,127.183 ; 147.825,112.878 cw(c147.825,112.365) v1@148.188,112.727
  Bottom Layer w0.203: v1@72.595,84.941 ccw(c72.171,85.365) 72.771,85.365 ccw(c73.371,85.365) v1@72.947,84.941 ; v1@72.595,102.821 cw(c72.171,102.397) 72.771,102.397 cw(c73.371,102.397) v1@72.947,102.821 ; v1(72.771,84.765) v1(72.771,102.997) ; v1@141.531,103.198 ccw(c141.107,103.622) 141.707,103.622 ccw(c142.306,103.622) v1@141.882,103.198 ; v1@141.531,112.702 cw(c141.107,112.278) 141.707,112.278 cw(c142.306,112.278) v1@141.882,112.702 ; v1(141.707,103.022) v1(141.707,112.878) ; v1@148.135,127.053 cw(c147.583,126.501) 148.364,126.501 ; v1@148.188,113.079 ccw(c147.764,113.503) 148.364,113.503 ccw(c148.963,113.503) v1@148.539,113.079 ; v1(148.311,127.229) 148.364,127.176 v1(148.364,112.903) ; 148.364,126.757 cw(c148.782,126.757) v1@148.486,127.053
NetR39_1: R39.1 U1.62 | length 68.1
  Top Layer w0.203: R39.1@131.957,81.276 ccw(c131.046,82.187) 132.334,82.187 ccw(c133.622,82.187) R39.1@132.711,81.276 ; R39.1@132.101,81.132 ccw(c131.537,81.696) 132.334,81.696 ccw(c133.131,81.696) R39.1@132.567,81.132 ; R39.1@132.334,80.899 132.334,83.185 133.604,84.455 v1@143.764,84.455 ; U1.62@140.303,126.998 142.365,126.998 143.002,127.635 v1(143.637,127.635) ; v1@143.461,84.279 ccw(c143.037,83.855) 143.037,84.455 ccw(c143.037,85.055) v1@143.461,84.631 ; v1@143.461,127.459 ccw(c143.037,127.035) 143.037,127.635 ccw(c143.037,128.235) v1@143.461,127.811
  Bottom Layer w0.203: v1@143.461,84.631 ccw(c143.099,84.993) 143.612,84.993 ; v1@143.461,127.459 cw(c143.099,127.097) 143.612,127.097 ; 143.612,85.116 ccw(c144.298,85.116) v1@143.813,84.631 ; 143.612,126.974 cw(c144.298,126.974) v1@143.813,127.459 ; v1(143.637,127.635) 143.612,127.61 143.612,84.607 v1@143.764,84.455
  other v1: 143.637,84.455
NetR43_1: R43.1 U1.54 | length 149.1
  Top Layer w0.203: R43.1@68.199,59.69 v1(71.247,59.69) ; R43.1@68.432,59.457 cw(c68.996,58.893) 68.996,59.69 cw(c68.996,60.487) R43.1@68.432,59.923 ; R43.1@68.576,59.313 cw(c69.487,58.402) 69.487,59.69 cw(c69.487,60.978) R43.1@68.576,60.067 ; v1@71.071,59.514 ccw(c70.647,59.09) 70.647,59.69 ccw(c70.647,60.29) v1@71.071,59.866 ; v1(72.644,83.185) v1(79.248,83.185) ; v1@72.82,83.009 cw(c73.244,82.585) 73.244,83.185 cw(c73.244,83.785) v1@72.82,83.361 ; v1@79.072,83.009 ccw(c78.648,82.585) 78.648,83.185 ccw(c78.648,83.785) v1@79.072,83.361 ; v1(79.248,105.537) v1(137.287,105.537) ; v1@79.424,105.361 cw(c79.848,104.937) 79.848,105.537 cw(c79.848,106.137) v1@79.424,105.713 ; v1@137.111,105.361 ccw(c136.687,104.937) 136.687,105.537 ccw(c136.687,106.137) v1@137.111,105.713 ; v1(137.287,122.936) 137.349,122.998 U1.54@140.303,122.998 ; v1@137.463,122.76 cw(c138.035,122.188) 138.035,122.998 ; v1@137.463,123.112 ccw(c137.738,123.387) 137.738,122.998
  Bottom Layer w0.203: v1@71.071,59.866 ccw(c70.647,60.29) 71.247,60.29 ccw(c71.847,60.29) v1@71.423,59.866 ; v1(71.247,59.69) 71.247,64.008 72.644,65.405 v1(72.644,83.185) ; v1@72.468,83.009 cw(c72.044,82.585) 72.644,82.585 cw(c73.244,82.585) v1@72.82,83.009 ; v1@79.072,83.361 ccw(c78.648,83.785) 79.248,83.785 ccw(c79.848,83.785) v1@79.424,83.361 ; v1@79.072,105.361 cw(c78.648,104.937) 79.248,104.937 cw(c79.848,104.937) v1@79.424,105.361 ; v1(79.248,83.185) v1(79.248,105.537) ; v1@137.111,105.713 ccw(c136.687,106.137) 137.287,106.137 ccw(c137.887,106.137) v1@137.463,105.713 ; v1@137.111,122.76 cw(c136.687,122.336) 137.287,122.336 cw(c137.887,122.336) v1@137.463,122.76 ; v1(137.287,105.537) v1(137.287,122.936)
NetR44_1: R44.1 U1.58 | length 170.6
  Top Layer w0.203: R44.1@68.936,33.35 cw(c68.936,32.062) 69.846,32.973 cw(c70.757,33.884) R44.1@69.469,33.884 ; R44.1@68.936,33.553 cw(c68.936,32.756) 69.499,33.32 cw(c70.063,33.884) R44.1@69.266,33.884 ; R44.1@68.936,33.884 70.358,32.461 136.601,32.461 v1(136.652,32.512) ; 135.93,32.461 ccw(c135.93,33.234) v1@136.476,32.688 ; 136.175,32.461 cw(c136.175,32.035) v1@136.476,32.336 ; v1(136.652,124.968) 136.682,124.998 U1.58@140.303,124.998 ; v1@136.828,124.792 cw(c137.323,124.297) 137.323,124.998 ; v1@136.828,125.144 ccw(c137.18,125.496) 137.18,124.998
  Bottom Layer w0.203: v1@136.476,124.792 cw(c136.114,124.43) 136.627,124.43 ; 136.627,124.307 cw(c137.313,124.307) v1@136.828,124.792 ; v1(136.652,32.512) 136.627,32.537 136.627,124.943 v1(136.652,124.968)
NetR47_1: R47.1 U1.59 | length 64.5
  Top Layer w0.203: R47.1@140.183,74.27 140.183,75.921 140.97,76.708 v1(144.653,76.708) ; U1.59@140.303,125.498 143.151,125.498 v1(144.628,126.975) ; v1@144.379,126.975 cw(c143.78,126.975) 144.204,126.551 cw(c144.628,126.127) v1@144.628,126.726
  Bottom Layer w0.203: v1@144.452,126.799 cw(c144.028,126.375) 144.628,126.375 cw(c145.227,126.375) v1@144.803,126.799 ; v1@144.477,76.884 ccw(c144.115,77.246) 144.628,77.246 ; 144.628,77.369 ccw(c145.314,77.369) v1@144.829,76.884 ; v1(144.628,126.975) 144.628,76.733 v1(144.653,76.708)
NetR52_1: R52.1 S1.2 S1.3 | length 33.9
  Top Layer w0.203: S1.2@6.961,113.172 22.961,113.172 24.017,112.116 ; S1.2@7.819,112.836 cw(c8.63,112.025) 8.63,113.172 ; S1.2@7.963,112.692 cw(c9.12,111.535) 9.12,113.172 ; S1.2@7.963,113.397 ccw(c8.507,113.941) 8.507,113.172 ; 20.801,113.172 cw(c20.801,111.535) S1.3@21.958,112.692 ; 21.291,113.172 cw(c21.291,112.025) S1.3@22.102,112.836 ; 21.414,113.172 ccw(c21.414,113.941) S1.3@21.958,113.397 ; S1.3@23.681,112.985 ccw(c23.995,112.719) 23.704,112.428 ; S1.3@23.836,112.854 ccw(c24.165,112.576) 23.86,112.272 ; S1.3@23.991,112.723 ccw(c24.334,112.433) 24.017,112.116 ; R52.1@29.315,111.738 ccw(c28.405,110.828) 28.405,112.116 ccw(c28.405,113.403) R52.1@29.315,112.493 ; R52.1@29.459,111.882 ccw(c28.895,111.318) 28.895,112.116 ccw(c28.895,112.913) R52.1@29.459,112.349 ; R52.1@29.693,112.116 24.017,112.116